# Altium PCB Thermostat_Thorlabs.PCBDOC (part 2 of 2)
Units mil, origin at the board's own origin, x right, y up, seen from the top; angles counter-clockwise.
Board outline 4729.41 x 1993.19 mil, 2 copper layers (TopLayer, BottomLayer), stack 61.855 mil thick; 130 components, 90 nets, 580 pads, 250 vias.
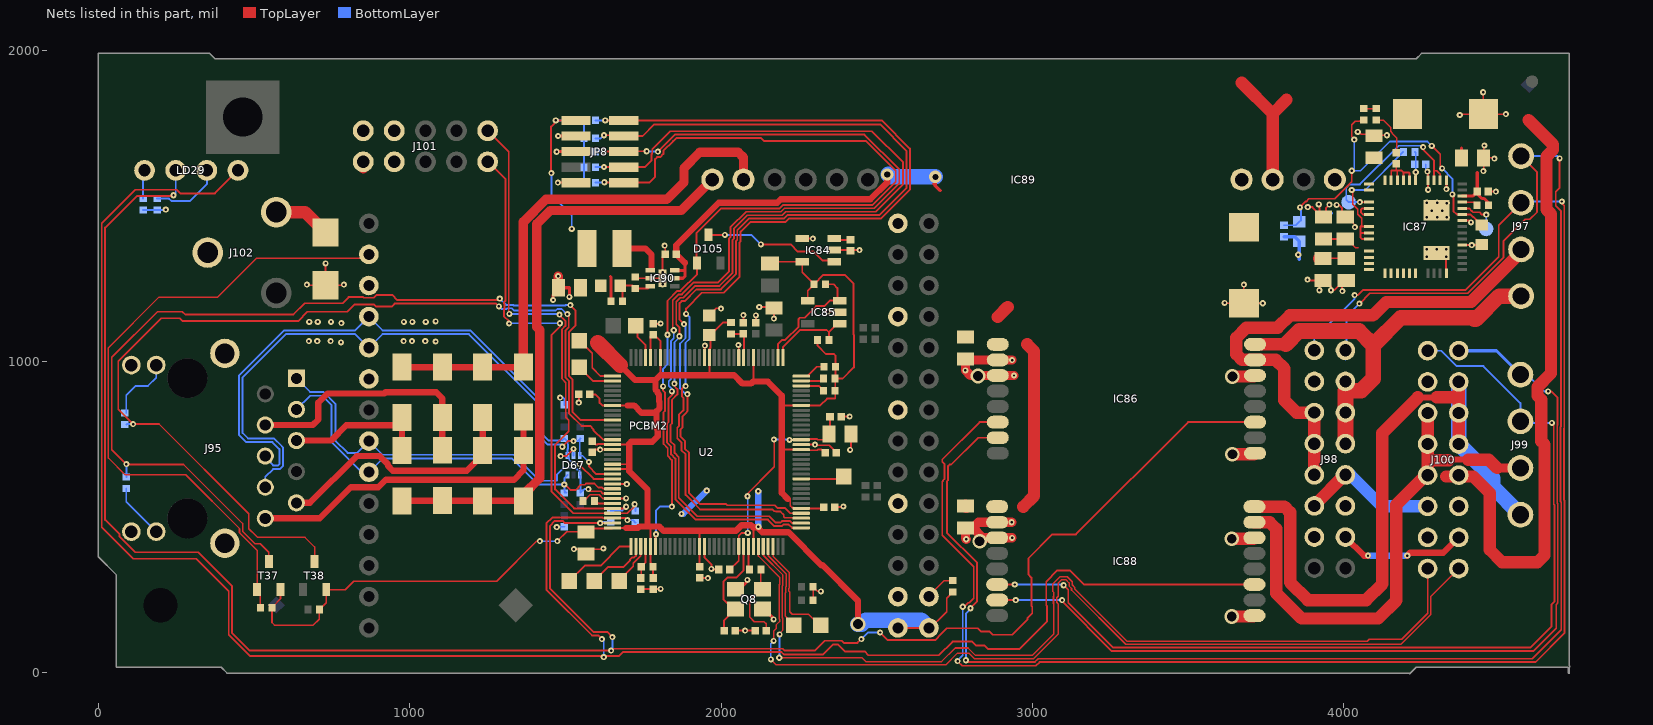
[diagram p2: the nets of this part, all layers, seen from the top]

## Via types
v1: diameter 19.68, hole 7.87, TopLayer to BottomLayer, tented both sides, 241 vias
v2: diameter 47.24, hole 31.5, TopLayer to BottomLayer, tented both sides, 7 vias
v3: diameter 39.37, hole 19.68, TopLayer to BottomLayer, tented both sides, 2 vias

## Nets (pads, with @x,y where several pads share a name; then routed paths per layer and width w, separated by ;. In a path a pad name is that pad's centre, name@x,y a point inside that pad or via, vN(x,y) a via of type N, cw(c..) or ccw(c..) an arc to the next point about the centre after c; other vN are vias at no path point) (continued)
GND: C156.2 C224.1 C225.2 C226.1 C227.1 C228.1 C229.1 C230.1 C231.1 C232.1 C233.1 C234.2 C235.2 C236.1 C237.1 C238.2 C239.1 C240.2 C241.1 C242.1 C243.1 C244.1 C245.1 C246.1 C247.1 C248.2 C249.1 C250.1 C251.1 C253.1 C255.1 C256.2 C257.1 C258.2 C260.2 D67.2 D106.2 IC84.2 IC84.4 IC85.2 IC86.2 IC86.3 IC86.9 IC86.14 IC87.26 IC87.31 IC87.35 IC87.42 IC87.45 IC87.53 IC87.54 IC88.2 IC88.3 IC88.9 IC88.14 IC89.7 IC89.10 IC90.5 IC90.7 J95.L2 J95.L4 J95.S1 J95.S2 J98.3 J98.12 J98.13 J100.3 J100.12 J100.13 J101.1 J101.2 J102.1 JP8.3 JP8.5 JP8.9 PCBM2.J1-4 PCBM2.J1-10 PCBM2.J1-16 PCBM2.J1-22 PCBM2.J1-28 PCBM2.J2-9 PCBM2.J2-12 Q8.2 Q8.4 R364.1 R366.2 R368.1 R372.2 R382.1 R461.2 R462.2 U2.10 U2.17 U2.48 U2.55 U2.58 U2.80 U2.114 | length 4826.5
  TopLayer w5: R462.2@2294,235 2296,237 R461.2@2296,276 2311,261 v1(2321,261) ; v1(3618,1188) 3619.05,1186.95 C256.2@3680,1186.95 ; v1(3680,1247) C256.2@3680,1186.95 ; v1(3741,1187) v1(3741,1187) C256.2@3680,1186.95 ; C244.1@4006,1464.43 4011.47,1464.43 4037,1438.9 v1(4037,1432) ; v1(4374,1792) 4377,1795 C248.2@4450.05,1795 ; v1(4449,1865) 4450.05,1863.95 C248.2@4450.05,1795 ; v1(4450,1612) 4450.43,1612.43 C249.1@4450.43,1654 ; v1(4453,1694) 4450.43,1691.43 C249.1@4450.43,1654 ; v1(4485,1652) 4483,1654 C249.1@4450.43,1654 ; v1(4522,1795) C248.2@4450.05,1795
  TopLayer w6: v1(669,1247) 671.12,1244.88 D106.2@729.13,1244.88 ; v1(729.13,1315) D106.2@729.13,1244.88 ; v1(788,1247) 785.88,1244.88 D106.2@729.13,1244.88 ; v1(1476,1575) 1476.43,1574.57 JP8.9@1533.88,1574.57 ; v1(1484.67,695.87) 1502.87,695.87 v1(1526,719) ; v1(1527,397) 1527.43,396.57 1619.57,396.57 v1(1622,399) ; v1(1543,868) 1543.26,868.26 C230.1@1543.26,894.11 ; R364.1@1556.67,551.59 1558.74,551.59 1578.94,571.8 1608.41,571.8 1620.74,559.47 U2.58@1651.53,559.47 1694.3,559.47 v1(1694.84,560) ; C227.1@1586,708.36 1594.58,716.95 v1(1611.24,716.95) U2.48@1651.53,716.95 ; U2.55@1651.53,606.71 1696.29,606.71 v1(1697,606) ; R382.1@1724.96,1272.09 1729.76,1267.28 IC90.5@1772.67,1267.28 v1(1812,1267.28) ; C236.1@1742,268.68 C229.1@1782,268.68 1805.68,268.68 v1(1806,269) ; C232.1@1777.51,1120.49 1804.49,1120.49 v1(1806,1122) ; IC90.7@1812.04,1267.28 v1(1812.04,1286.97) 1812.04,1335.63 C257.1@1820.86,1344.45 1820.86,1369.94 v1(1818.54,1372.26) ; C226.1@1931.06,304.5 1951.5,304.5 1951.9,304.11 v1(1958,304.11) ; U2.80@1946.8,405.92 1946.8,370.2 1969,348 v1(1969,333.39) 1970.92,331.47 C241.1@1993.18,331.47 ; U2.17@1946.8,1012.22 1946.8,1049.8 v1(1948,1051) ; C224.1@1962,1147.89 1985,1170.89 1999.11,1170.89 v1(2000,1170) ; C235.2@2045.23,135.06 v1(2077.51,135.06) C234.2@2109.8,135.06 ; v1(2056,1053) 2057.04,1051.96 U2.10@2057.04,1012.22 ; v1(2071.88,1149) 2072,1148.87 C237.1@2072,1124.11 ; C233.1@2112,1124.11 v1(2112,1148) ; v1(2123,1175) 2166.43,1175 C238.2@2170,1171.43 v1(2170,1138) ; U2.114@2257.83,732.69 v1(2302,732.69) 2303.86,730.84 2347.25,730.84 2369.72,708.36 C231.1@2369.72,706.39 ; IC84.4@2260.82,1395.4 2294.87,1395.4 v1(2295.27,1395) ; v1(2342.52,1160.39) 2378.93,1160.39 IC85.2@2381.06,1158.27 ; IC84.2@2363.18,1358 v1(2445,1358) ; C228.1@2366.1,531.91 2390.91,531.91 v1(2393,534) ; C242.1@2385.78,823 2412.76,823 v1(2413,823.24) ; v1(2415,716) 2417.43,718.43 C240.2@2417.43,766.39 ; v1(3884.59,1262.96) 3887.3,1260.25 C245.1@3922.78,1260.25 ; v1(3885.37,1496.06) 3900.24,1496.06 C247.1@3922.78,1473.53 ; v1(3920.59,1504.96) 3922.78,1502.78 C247.1@3922.78,1473.53 ; v1(3922.78,1228.76) C245.1@3922.78,1260.25 ; v1(3955,1504) 3944,1493 3944,1464.57 3922.78,1464.57 C247.1@3922.78,1473.53 ; v1(3978,1503) 3985.55,1503 3995.61,1492.94 C244.1@3995.61,1464.57 ; C246.1@3995.61,1260.25 C246.1@3995.61,1253.61 ; v1(3996.59,1225.96) 3995.61,1226.94 C246.1@3995.61,1253.61 ; v1(4046,1738) v1@4046,1742 ; C250.1@4077,1737 C250.1@4084,1730 ; C250.1@4086,1725.39 C250.1@4086,1728 ; v1(4140,1727) 4099,1727 4092,1734 C250.1@4086,1728 ; v1(4270,1610) 4271.66,1608.34 IC87.45@4271.66,1582.68 4271.66,1552.01 v1(4272,1552) ; IC87.54@4299.21,1348.43 4318.57,1348.43 4330.26,1336.74 4330.26,1283.92 IC87.26@4330.71,1283.46 ; IC87.42@4330.71,1582.68 4330.71,1554.29 v1(4331,1554) ; IC87.31@4381.89,1374.02 v1(4412.4,1374.02) 4442.9,1374.02 R368.1@4444.87,1375.98 ; IC87.35@4381.89,1452.76 4405.24,1452.76 4410,1448 v1(4410,1447) ; C251.1@4465.54,1546.16 4489.84,1546.16 v1(4490,1546) ; C245.1@3922.78,1260.25 3941.75,1260.25 3960.18,1241.82 v1(3960.18,1228.76) 3970.76,1228.76 C246.1@3995.61,1253.61 ; v1@4046,1742 4058,1730 C250.1@4084,1730 ; v1@4046,1742 4045.5,1742.5 4046,1743 v1@4046,1742 ; C250.1@4084,1730 C250.1@4086,1728 ; C250.1@4084,1730 4086,1730 C250.1@4086,1728
  TopLayer w10: v1(1460.53,1197.53) 1460.53,1213.37 1477.36,1230.2 C258.2@1477.36,1237 1512.79,1237 1512.71,1236.92 v1(1512.71,1207.49) ; v1(1471.81,1673.82) 1472.56,1674.57 JP8.5@1533.88,1674.57 ; v1(1476.22,1724.57) JP8.3@1533.88,1724.57 ; Q8.4@2046.8,267.72 2058.61,267.72 2085,294.1 v1(2085,298) ; Q8.2@2133.42,204.72 2137.36,204.72 2169,173.08 v1(2169,171)
  TopLayer w30: J101.1@850.12,1619.12 J101.1@850.12,1641.54 ; v1(1476.38,1274.4) 1477.36,1273.42 C258.2@1477.36,1237 ; C243.1@2785.43,465.29 2785.43,431.48 v1(2788.2,428.71) ; v1(2933.88,483.39) IC88.2@2887.38,483.39 2827.54,483.39 2809.44,465.29 2841.35,433.39 IC88.3@2887.38,433.39 2934.95,433.39 v1(2935.27,433.07) ; v1(2935.27,1004.6) 2934.86,1005 IC86.2@2889.29,1005 2788.31,1005 C253.1@2785.43,1007.87 v1(2785.43,971.57) 2802,955 IC86.3@2889.29,955 v1(2941.48,955)
  TopLayer w39.37: v2(3641.31,180.36) 3711.12,180.36 IC88.9@3714.15,183.39 ; v2(3641.31,430.36) IC88.14@3711.12,430.36 ; v2(3643.23,701.97) IC86.9@3713.03,701.97 ; v2(3643.23,951.97) IC86.14@3713.03,951.97
  BottomLayer w6: R366.2@143,1486.5 R372.2@188,1486.5 214.24,1486.5 v1(215.75,1488) ; v1(1472,468) 1473.11,469.11 C156.2@1496.69,469.11 ; v1(1483,884) 1493,884 1496.69,880.31 C239.1@1496.69,860.65 ; v1(1526,719) 1526.21,718.79 D67.2@1526.21,697.26 ; 3963,1476 3963.58,1476.58 ; C255.1@4264.77,1633.86 4264.77,1615.23 v1(4270,1610)
  BottomLayer w10: v1@1512.71,1206.71 v1(1512.71,1207.49)
  other v1: 778.85,1061.39 1082.68,1064.15 675.5,1065.41 702.64,1065.41 745.41,1065.41 979.84,1065.41 1006.98,1065.41 1049.75,1065.41 780.16,1123.44 676.81,1127.46 703.95,1127.46 746.72,1127.46 981.16,1127.46 1008.29,1127.46 1051.06,1127.46 1082.68,1128.96 1812.04,1247.6 4268,1336 4331,1336 4268,1360 4300,1360 4331,1361 4267.72,1463 4332,1463 4301,1464 4284,1484 4317,1484 4332,1509 4267.72,1510 4301,1510
  other v2: 2831,422.59 2826.07,953.17
LED1: R356.1 T37.3 U2.42 | length 3113.5
  TopLayer w5: v1@85,669 273,669 462.66,479.34 462.66,454.06 502.09,414.62 519.38,414.62 547,387 T37.3@547,357.28
  TopLayer w6: v1@87.5,671.5 42,717 42,1012.85 189.15,1160 269.35,1160 278.35,1151 626.09,1151 662.09,1187 784,1187 803,1206 ; 803,1207 849.43,1207 851.83,1204.6 884.55,1204.6 893.8,1213.84 943.39,1213.84 960.23,1197 1284,1197 v1(1289,1202) ; v1@1515.65,1181.1 1532,1164.75 1532,1115.26 1511,1094.26 1511,953.39 1523.06,941.34 1523.06,836.94 1548.57,811.43 U2.42@1651.53,811.43
  BottomLayer w6: R356.1@88.58,628.74 89,629.16 v1(89,670) ; v1(1289,1202) 1309.16,1181.84 1331.95,1181.84 1334.11,1179.68 1498.94,1179.68 1500.35,1181.1 v1(1515.75,1181.1)
LED2: R352.1 T38.3 U2.46 | length 3134.6
  TopLayer w5: v1(111,799) 194.28,799 482.66,510.63 482.66,462.34 504.5,440.5 ; 505,441 511.38,434.62 663.38,434.62 694,404 T38.3@694,357.28 T38.3@694,352
  TopLayer w6: v1(111,799) 63,847 63,1000.09 201.91,1139 260.65,1139 269.65,1130 640.96,1130 670.96,1160 799,1160 822.6,1183.6 884.54,1183.6 891.98,1176.16 941.39,1176.16 951.23,1186 1277,1186 v1(1286,1177) ; v1@1503,1154.07 v1@1505.46,1151.62 ; v1(1506.19,1152.35) v1@1510.84,1147.69 ; v1@1510.11,1146.96 1510.84,1146.23 1510.84,1109.66 1500,1098.82 1500,948.84 1512.06,936.78 1512.06,832.39 1551.6,792.84 1579.39,792.84 1589.84,782.39 1589.84,779.62 1621.02,748.44 U2.46@1651.53,748.44
  BottomLayer w6: R352.1@88.58,796.85 90.73,799 v1(111,799) ; v1(1286,1177) 1294.32,1168.68 1310.45,1168.68 1312.61,1170.84 1327.39,1170.84 1334.23,1164 1468.93,1164 1473.61,1168.68 1488.39,1168.68 1504.73,1152.35 v1(1506.19,1152.35)
LINKLEDn: PCBM2.J2-13 R464.1 T37.1 | length 2098.2
  TopLayer w5: T37.1@509.6,266.72 509.6,360 ; 510,360 510,392.57 452.66,449.92 452.66,462.89 279.54,636 85,636 31.5,689.5 31.5,1044.5 194,1207 383,1207 508.34,1332.34 736.32,1332.34 736.66,1332 852,1332 PCBM2.J2-13@858,1338 ; T37.1@513,265 520,258 R464.1@520,208
NetC234_1: C234.1 Q8.3 R357.2 | length 249.8
  TopLayer w5: R357.2@2128.3,331.47 2128.3,267.3 2093,232 2093,178 2107,164 2138,164 2145,157 C234.1@2145,136
NetC235_1: C235.1 Q8.1 U2.88 | length 351
  TopLayer w6: C235.1@2009.8,135.06 2009.8,167.72 Q8.1@2046.8,204.72 2039.03,204.72 2007.87,235.88 2007.87,292.22 2021.58,305.92 2050.06,305.92 2071.88,327.74 2071.88,405.92 U2.88@2072.79,405.92
NetC236_2: C236.2 R358.2 U2.68 | length 108.4
  TopLayer w6: C236.2@1742,304.11 1743.81,305.92 R358.2@1743.81,341 1757.83,355.02 U2.68@1757.83,405.92
NetC237_2: C237.2 R361.1 U2.9 | length 118
  TopLayer w6: R361.1@2032,1087.89 2032.79,1088.68 C237.2@2072,1088.68 2073.84,1086.84 2073.84,1013.27 U2.9@2072.79,1012.22
NetC240_1: C240.1 C241.2 C242.2 U2.87 U2.115 | length 745.4
  TopLayer w6: C241.2@2028.62,331.47 2057.04,359.9 U2.87@2057.04,405.92 2057.04,439.6 2066.44,449 v1(2086,449) ; v1(2085.16,567) 2077.02,567 2171,660.98 2171,748.25 v1(2170,749.25) ; v1(2220,748) 2257.39,748 U2.115@2257.83,748.44 2259.92,750.54 2309.39,750.54 2311.49,748.44 2328.62,748.44 C240.1@2346.57,766.39 2350.35,770.17 C242.2@2350.35,823
  BottomLayer w6: v1(2085.16,567) 2086,566.16 v1(2086,449) ; v1(2170,749.25) 2218.75,749.25 v1(2220,748)
NetC252_1: C252.1 IC87.36 R367.1 R368.2 R370.1 | length 1185.4
  TopLayer w5: 4019,1570 4026.92,1577.92 v1(4026.92,1613) ; v1@4033,1717 4027,1723 4027,1761 4038,1772 4052,1772 R370.1@4055.5,1772
  TopLayer w6: v1@3864,1498 3867.53,1501.53 3867.53,1503.45 3877.98,1513.91 3879.91,1513.91 3888.8,1522.8 3972.26,1522.8 4019.23,1569.77 ; v1@4032,1716 v1(4035,1713) ; 4052,1772 R370.1@4061.5,1781.5 ; v1(4284,1692.91) 4311.02,1665.89 4311.02,1626.44 v1(4317,1620.46) ; v1(4350.39,1537.14) 4353.53,1534.01 4353.53,1483.19 4364.28,1472.44 IC87.36@4381.89,1472.44 4407.89,1472.44 4415.49,1464.84 4417.39,1464.84 4443.26,1438.98 R368.2@4444.87,1438.98
  BottomLayer w6: R367.1@3809.06,1437.8 3847.24,1437.8 C252.1@3858.27,1448.82 3864,1454.55 v1@3864,1495.3 ; v1(4035,1713) 4035,1621.08 v1(4026.92,1613) 4054.93,1613 4148.77,1706.84 4270.07,1706.84 v1(4284,1692.91) ; v1(4317,1620.46) 4350.39,1587.07 v1(4350.39,1537.14)
  other v1: 3860.59,1495.3
NetC254_1: C254.1 R369.2 | length 150.6
  TopLayer w5: R369.2@4105,1775.5 4128.5,1775.5 4152,1752 4152,1739.53 4157.34,1734.18 4157.34,1732.66 4171,1719 C254.1@4171,1666
NetC254_2: C254.2 IC87.48 IC87.49 IC87.50 IC87.51 | length 195.6
  TopLayer w5: C254.2@4170,1635.28 4170,1617 4173.55,1613.45 4174,1613
  TopLayer w6: IC87.51@4153.55,1582.68 4153.55,1613.45 4171.55,1613.45 ; IC87.50@4173.23,1582.68 4173.23,1611.77 4171.55,1613.45 ; IC87.49@4192.92,1582.68 4192.92,1607.43 ; IC87.48@4212.6,1582.68 4212.6,1604.67 4209.84,1607.43 4192.92,1607.43 ; 4171.55,1613.45 4173.55,1613.45 4186.89,1613.45 4192.92,1607.43
NetC255_2: C255.2 IC87.47 R373.1 | length 91.7
  TopLayer w6: IC87.47@4232.29,1582.68 v1(4232.29,1608.27)
  BottomLayer w6: R373.1@4229.51,1673.23 4232.29,1670.45 v1(4232.29,1608.27)
NetC259_1: C259.1 IC90.6 R381.1 R382.2 | length 155.4
  TopLayer w6: R381.1@1683.46,1193.58 1683.46,1236.58 C259.1@1676.45,1243.58 1716.45,1243.58 R382.2@1724.96,1235.08 1766.06,1235.08 IC90.6@1772.67,1241.69
NetC260_1: C260.1 IC84.3 | length 54.8
  TopLayer w6: IC84.3@2363.18,1395.4 2367.87,1390.72 C260.1@2416,1390.72
NetD105_3: D105.3 IC84.1 | length 438.8
  TopLayer w6: D105.3@1960.33,1407.28 1960.61,1407 v1(2012.32,1407) ; v1(2128,1375.98) 2224.02,1375.98 2247,1353 2297.32,1353 2325.55,1324.76 2359.02,1324.76 IC84.1@2363.18,1320.6
  BottomLayer w6: v1(2012.32,1407) 2096.98,1407 v1(2128,1375.98)
NetIC87_4: IC87.4 IC87.43 IC87.44 TP35.1 | length 589.1
  TopLayer w6: v1(4053,1512) 4053.19,1511.81 IC87.4@4082.68,1511.81 ; v1(4256,1689) 4251.91,1684.91 4291.34,1645.47 4291.34,1611.34 ; IC87.44@4291.34,1582.68 4291.34,1611.34 ; IC87.43@4311.03,1582.68 4311.03,1602.62 4309.61,1602.62 4299.23,1613 4293,1613 4291.34,1611.34
  BottomLayer w6: v1(4053,1512) 4016.88,1512 4009.16,1519.72 4009.16,1558.39 4019.61,1568.84 4053.18,1568.84 4177.77,1693.43 4251.57,1693.43 v1(4256,1689)
NetIC87_5: IC87.5 IC87.6 | length 65.9
  TopLayer w6: IC87.6@4082.68,1472.44 4062.56,1472.44 4057.09,1477.91 4057.09,1489.09 4060.13,1492.13 IC87.5@4082.68,1492.13
NetIC87_8: IC87.8 IC87.9 IC87.10 R373.2 | length 469.5
  TopLayer w6: v1(4027,1551) 4030,1548 4030,1505.09 4046.09,1489 4046.09,1473.35 4058.93,1460.51 4058.93,1437.09 4055,1433.16 ; IC87.10@4082.68,1393.7 4059.39,1393.7 4055,1398.09 4055,1415 ; IC87.9@4082.68,1413.39 4056.61,1413.39 4055,1415 ; IC87.8@4082.68,1433.07 4082.59,1433.16 4055,1433.16 ; 4055,1415 4055,1433.16
  BottomLayer w6: v1(4027,1551) 4070.27,1551 R373.2@4192.5,1673.23
NetIC87_37: IC87.37 TP34.1 | length 132.1
  TopLayer w6: IC87.37@4381.89,1492.13 4403.76,1492.13 4412.69,1483.19 ; 4412.69,1483.69 4412.69,1483.19 ; v1(4459,1472) 4445,1472 4437.56,1479.44 4416.44,1479.44 4412.69,1483.19
  BottomLayer w6: TP34.1@4458.66,1425.98 4459,1426.32 v1(4459,1472)
NetIC87_38: IC87.38 R371.1 | length 51.5
  TopLayer w6: IC87.38@4381.89,1511.81 4419.51,1511.81 R371.1@4429.32,1502
NetIC90_4: IC90.4 L13.1 | length 154.5
  TopLayer w6: IC90.4@1772.67,1292.88 1772.67,1301
  TopLayer w20: L13.1@1681.06,1363.27 1756.73,1363.27 1777,1343 1777,1301
NetJ95_L1: J95.L1 R352.2 | length 218.1
  BottomLayer w6: R352.2@88.58,833.86 88.58,891.58 118.67,921.67 158.67,921.67 185.04,948.04 J95.L1@185.04,988.58
NetJ95_L3: J95.L3 R356.2 | length 178.3
  BottomLayer w6: R356.2@88.58,591.73 88.58,549.81 J95.L3@185.04,453.35
NetLD29_1: LD29.1 R366.1 | length 92.6
  BottomLayer w6: R366.1@143,1523.5 143,1609.54 LD29.1@147.64,1614.17
NetLD29_3: LD29.3 R372.1 | length 229.4
  BottomLayer w6: R372.1@188,1523.5 225.82,1523.5 233.17,1516.16 294.16,1516.16 347.64,1569.64 LD29.3@347.64,1614.17
NetPCBM2_J1-3: PCBM2.J1-3 R463.2 | length 71.9
  TopLayer w5: PCBM2.J1-3@2668.19,244.09 PCBM2.J1-3@2668.19,244.19 ; PCBM2.J1-3@2686,265 2717.01,296.01 R463.2@2745,296.01
NetR357_1: R357.1 U2.89 | length 75.6
  TopLayer w6: U2.89@2088.54,405.92 2088.54,334.23 R357.1@2091.29,331.47
NetR364_2: R364.2 U2.59 | length 67.4
  TopLayer w6: R364.2@1590.51,559.07 1605.86,543.72 U2.59@1651.53,543.72
NetR369_1: R369.1 R370.2 | length 44.6
  TopLayer w5: R370.2@4065,1812.5 R369.1@4105,1812.5 4107.5,1812.5 R369.1@4109,1814
NetTP25_1: TP25.1 U2.94 | length 345.8
  TopLayer w5: U2.94@2167.28,405.92 2167.28,374.01 2219,322.28 2219,271.72 2218,270.72 2218,262.14 2221,259.14 2221,196 2229,188 2281,188 TP25.1@2316,153
NetTP26_1: TP26.1 U2.93 | length 287.3
  TopLayer w5: U2.93@2151.53,405.92 2151.53,375.61 2209,318.14 2209,275.86 2208,274.86 2208,257 ; 2207,257 2207,181 TP26.1@2234,154
NetTP27_1: TP27.1 U2.65 | length 243.9
  TopLayer w6: TP27.1@1512.79,294.66 1562.13,344 1613,344 1674.92,405.92 U2.65@1710.58,405.92
NetTP32_1: TP32.1 U2.66 | length 199
  TopLayer w6: TP32.1@1592.79,294.66 1638.13,340 1687,340 1707,360 1707,362.6 1714.76,370.36 1721.29,370.36 1726.33,375.41 U2.66@1726.33,405.92
NetTP33_1: TP33.1 U2.67 | length 140
  TopLayer w6: TP33.1@1672.79,294.66 1672.79,297.01 1718,342.22 1718,351.52 1742.08,375.6 U2.67@1742.08,405.92
NetTP38_1: TP38.1 U2.107 | length 140.2
  TopLayer w6: U2.107@2257.83,622.46 2386.93,622.46 TP38.1@2394.8,630.33
P3V3: C224.2 C225.1 C226.2 C227.2 C228.2 C229.2 C230.2 C231.2 C232.2 C258.1 C259.2 FB8.1 IC84.5 IC85.4 JP8.1 L13.2 PCBM2.J1-1 PCBM2.J1-2 R350.2 R351.2 R353.1 R354.1 R355.1 R358.1 R359.1 R360.1 R361.2 R362.1 R363.1 R365.1 R381.2 R463.1 R464.2 R465.2 T37.2 T38.2 U2.7 U2.16 U2.26 U2.28 U2.39 U2.47 U2.51 U2.52 U2.64 U2.69 U2.79 U2.90 U2.101 U2.113 U2.122 | length 8317.4
  TopLayer w5: R464.2@557.01,208 557.01,160.99 565,153 690,153 709,172 R465.2@709,199 ; R464.2@560,213 584.4,237.4 T37.2@584.4,266.72 ; R465.2@711,204 731.4,224.4 T38.2@731.4,266.72 792.72,266.72 820,294 1279,294 1408,423 v1(1418,423) ; v1(1474,423) 1504,453 C225.1@1565,453 ; PCBM2.J1-1@2665,136 2725,196 2725,239 R463.1@2745,259
  TopLayer w6: v1(1455,1605.32) 1453.96,1606.36 1453.96,1754.96 1473.57,1774.57 JP8.1@1533.88,1774.57 ; C225.1@1572,467.43 1576.55,462.88 1649.43,462.88 U2.64@1651.53,464.98 1694.84,464.98 ; C230.2@1578.69,894.11 1595.89,894.11 1610,880 1610,866.8 1618.12,858.68 U2.39@1651.53,858.68 1699.29,858.68 ; C227.2@1586,743.8 1597.1,732.69 1601.76,732.69 1603.85,734.79 1649.43,734.79 U2.47@1651.53,732.69 1705,732.69 ; U2.52@1651.53,653.95 1705,653.95 ; U2.51@1651.53,669.7 1705,669.7 ; U2.28@1773.58,1012.22 1773.58,1081.12 1781.73,1089.27 1805.07,1065.93 U2.26@1805.07,1012.22 1805.07,956 ; R358.1@1780.51,346.39 1773.58,353.32 U2.69@1773.58,405.92 1773.16,406.34 1773.16,462.84 1808.29,462.84 ; R358.1@1780.82,341 1782,339.82 C229.2@1782,304.11 ; C226.2@1931.06,339.94 U2.79@1931.06,405.92 1931.06,456.16 ; 1962.55,956 U2.16@1962.55,1012.22 1962.55,1040.32 1965.84,1043.61 1965.84,1081.06 C224.2@1962,1084.9 1965.97,1084.9 2005.97,1124.9 R361.2@2032,1124.9 ; 2078.61,466.84 2095.16,466.84 2104.29,457.71 U2.90@2104.29,405.92 ; U2.7@2104.29,1012.22 2104.29,945.56 2106.84,943 2106.84,940.84 ; FB8.1@2157.71,1314.98 2163.33,1320.6 IC84.5@2260.82,1320.6 2260.82,1286.16 R350.2@2298.98,1248 2278.69,1227.72 IC85.4@2278.69,1195.67 ; 2194.84,716.95 U2.113@2257.83,716.95 2259.92,714.85 2309.39,714.85 2311.49,716.95 2323.73,716.95 C231.2@2334.29,706.39 ; 2194.84,858.68 U2.122@2257.83,858.68 2318.69,858.68 2340.69,880.68 2366.88,880.68 R353.1@2366.88,905.92 R354.1@2366.88,945.29 ; 2222.27,558 2222.27,536.64 2228.11,530.8 2231.32,530.8 2232.84,529.27 2232.84,527.97 U2.101@2257.83,527.97 2326.73,527.97 C228.2@2330.66,531.91 ; R350.2@2298.98,1248 2329,1278 2397,1278 2425.8,1249.2 2425.8,1085.96 2426.87,1084.89 2426.87,980.87 2391.29,945.29 R354.1@2366.88,945.29 ; R351.2@2310.37,1069 2310.37,1050.63 2337,1024 2362.66,1024 2367.5,1019.16 R355.1@2367.5,983 2367.5,945.91 R354.1@2366.88,945.29 ; PCBM2.J1-2@2568.19,144.09 PCBM2.J1-1@2668.19,144.09
  TopLayer w10: 1644.96,1273.11 1646.45,1271.62 R381.2@1646.45,1193.58
  TopLayer w20: 1675.66,988.34 1723.84,940.16 1789.16,940.16 ; 1694.84,464.98 1732.87,464.98 1737.74,469.84 1760.68,469.84 ; 1699.29,858.68 1720.54,858.68 1744.06,835.16 1787.93,835.16 1793,840.23 ; v1@2116.84,467 2103.13,467 2096.29,473.84 2065.83,473.84 2048.14,456.16 1931.06,456.16 1814.98,456.16 1808.29,462.84 1801.29,469.84 1760.68,469.84 ; v1@2117.42,466.42 2132.84,451 2217,451 2322.47,345.53 2326.44,345.53 2440,231.97 2440,169 v2@2452,157 ; 2214.52,558 2194.84,577.68 2194.84,716.95 2194.84,858.68 2194.84,890.55 2149.97,935.42 2102.71,935.42 2096.29,929 2069,929 2042,956 1962.55,956 1805.07,956 1805,956 1789.16,940.16 ; 1760.68,469.84 1764,473.16 1764,588 1705,647 1705,653.95 1705,669.7 1705,732.69 1705,735.65 1711.14,741.79 1778.75,741.79 1796.84,759.88 1796.84,780.46 1793,784.31 1793,840.23 ; 1789.16,940.16 1789.16,909.71 1796,902.87 1796,898.54 1801,893.54 1801,871.77 1802.48,870.29 1802.48,849.71 1793,840.23
  TopLayer w50: 1604,1060 1675.66,988.34 1675.66,988.09
  BottomLayer w5: v1(1418,423) v1(1474,423)
  BottomLayer w6: v1(1455,1605.32) 1455,1535.8 1520.16,1470.64 v1(1520.16,1426) ; v1(1469,1774.57) R359.1@1559.28,1774.57 R360.1@1559.28,1716.69 R362.1@1559.28,1674.57 R363.1@1559.28,1624.57 R365.1@1559.28,1574.57
  BottomLayer w20: v1(1873,510) 1879,510 v1(1954,585) ; v1(2119.79,582.8) 2119.79,469.21 v1(2120,469)
  BottomLayer w50: v2(2440,156) 2452.33,156 2465.17,168.84 2643.44,168.84 PCBM2.J1-1@2668.19,144.09
P3V3_MP: J98.14 J100.14 | length 413.2
  TopLayer w20: J98.14@4006.51,435.78 4066.3,376 v1(4079,376) ; v1(4205,376) 4214,385 4321.09,385 J100.14@4370.69,434.6
  BottomLayer w20: v1(4079,376) v1(4205,376)
P5V0: C243.2 C244.2 C245.2 C246.2 C247.2 C252.2 C253.2 C257.2 IC86.1 IC87.12 IC87.13 IC87.14 IC87.15 IC87.16 IC87.17 IC87.18 IC87.19 IC87.20 IC87.21 IC88.1 IC90.2 IC90.3 J101.3 J101.4 R367.2 | length 2058
  TopLayer w5: C245.2@3935,1330 3936.43,1331.43 C246.2@4009,1331.43 ; C247.2@3948,1395 3949.43,1393.57 C244.2@4006,1393.57 ; C244.2@4019,1385 4038,1366 4048,1366
  TopLayer w10: IC90.2@1851.41,1267.28 1878,1267.28 1883.81,1273.1 1883.81,1292.88 ; IC90.3@1851.41,1292.88 1883.81,1292.88 ; 1881.18,1314.29 1883.81,1311.66 1883.81,1292.88 ; 2683.39,1570.61 2688.79,1565.21 ; v3(2688.79,1593.34) 2688.79,1565.21 ; 2705,1549 2688.79,1565.21
  TopLayer w20: 1883.81,1316.93 C257.2@1856.29,1344.45 1856.29,1373.47 1992.82,1510 2180.73,1510 2191.95,1521.21 2480.09,1521.21 2534,1575.12 v3(2534,1600.8)
  TopLayer w39.37: C243.2@2785.43,536.16 C243.2@2788.2,533.39 ; 2889.29,1143.29 2921,1175 ; 2971.39,533.39 3006,568 3006,1033 2984,1055
  BottomLayer w10: v3(2534,1600.8) v3@2537.63,1600.8 ; R367.2@3809.06,1400.79 3843.31,1400.79 C252.2@3858.27,1385.83 3858.27,1328
  BottomLayer w50: v3@2537.63,1600.8 2545.09,1593.34 v3(2688.79,1593.34)
  other v1: 3854.86,1342.96
P12V0: C248.1 C249.2 C250.2 C251.2 C256.1 D106.1 IC87.1 IC87.2 IC87.39 IC87.52 IC89.8 J98.10 J98.11 J100.10 J100.11 J102.3 R371.2 | length 3277.2
  TopLayer w10: C249.2@4379.92,1658.04 4379.92,1685.99 ; IC87.39@4381.89,1531.5 4415.44,1531.5 C251.2@4430.11,1546.16 ; 4430.11,1607.85 C251.2@4430.11,1546.16 ; R371.2@4466.33,1502 4466.33,1509.94 4452.31,1523.96 4445.13,1523.96 4430.11,1538.97 C251.2@4430.11,1546.16